# Altium PCB DS135-1.0-A浊度传感器.PcbDoc
Units mil, origin at the board's own origin, x right, y up, seen from the top; angles counter-clockwise.
Board outline 1653.54 x 3661.42 mil, 2 copper layers (Top Layer, Bottom Layer), stack 62.249 mil thick; 37 components, 42 nets, 166 pads, 54 vias.
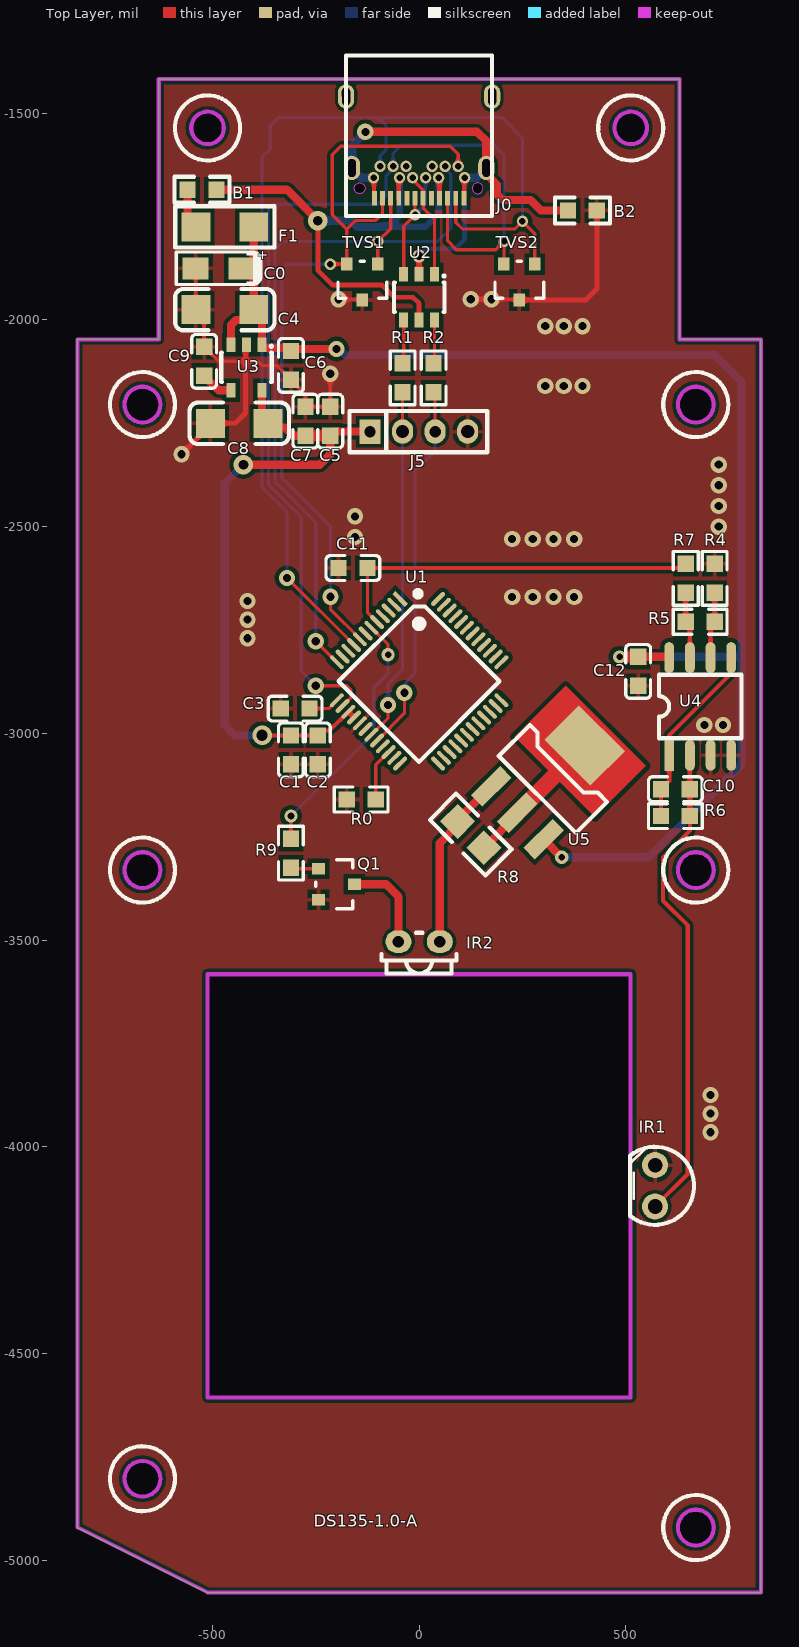
[diagram p0: Top Layer view]
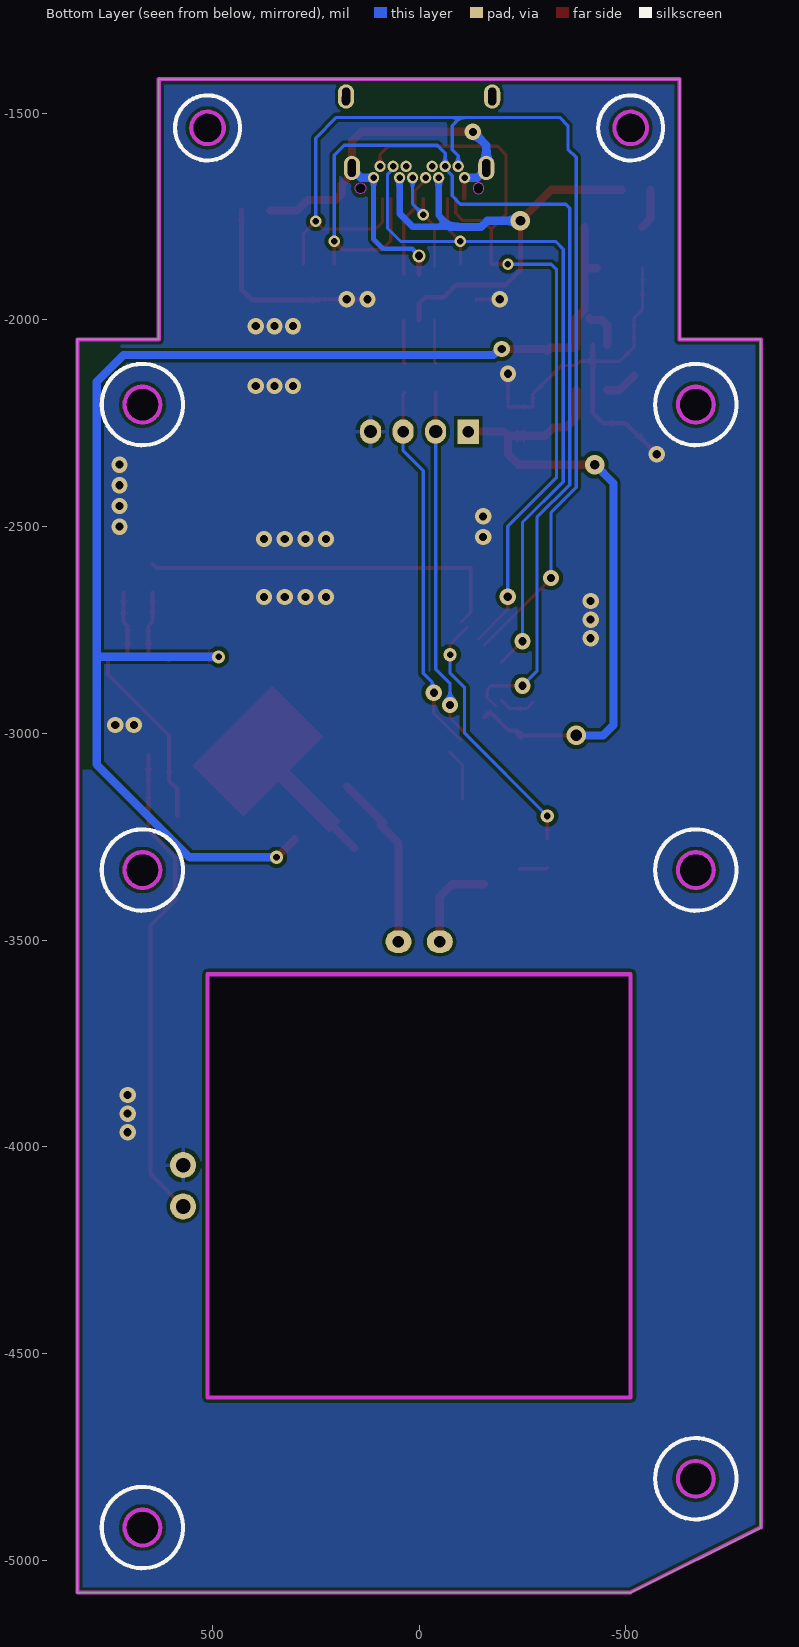
[diagram p1: Bottom Layer view, seen from below]
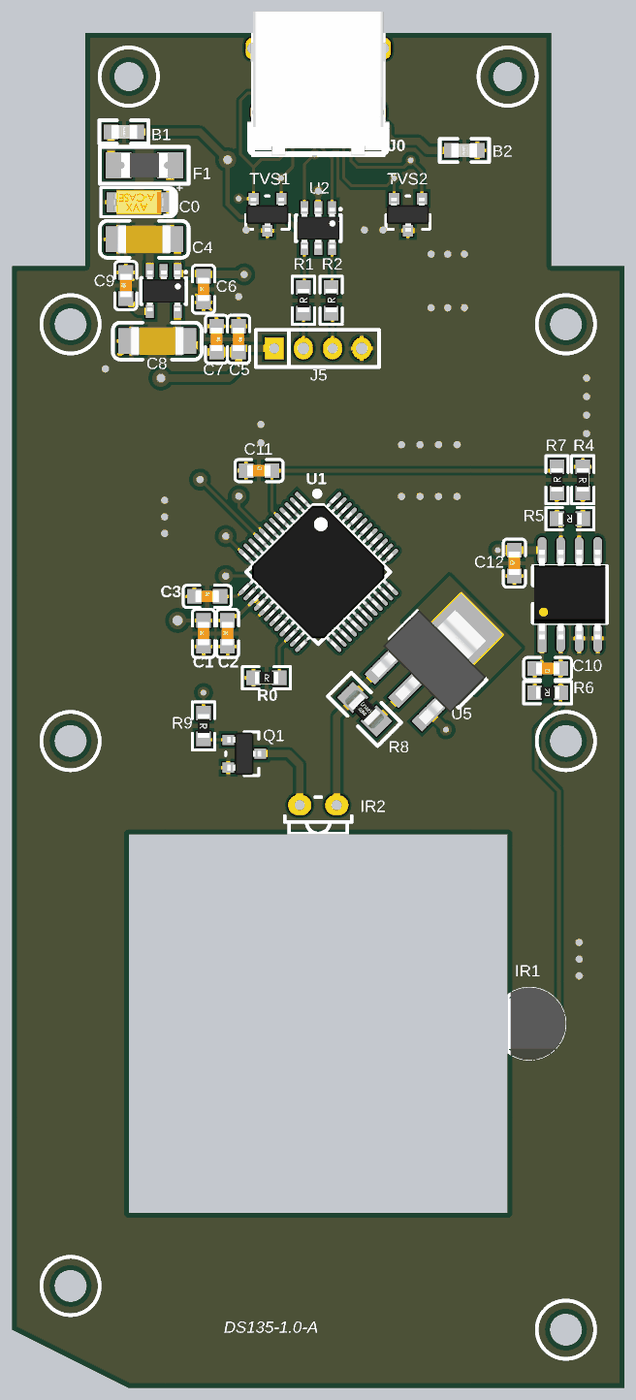
[diagram p2: 3D render of the assembled board from above, using the file's embedded part models]

## Layer stack, top to bottom
Top Solder: solder mask 0.4, Solder Resist, Dk 3.5
Top Layer: signal copper 1.4
Dielectric 1: dielectric 59.4488, FR-4, Dk 4.8
Bottom Layer: signal copper 1.4
Bottom Solder: solder mask 0.4, Solder Resist, Dk 3.5

## Board outline
-826.77,-4921.26 -511.81,-5078.74 826.77,-5078.74 826.77,-2047.24 629.92,-2047.24 629.92,-1417.32 -629.92,-1417.32 -629.92,-2047.24 -826.77,-2047.24
cut-out: 625.98,-3330.71 ccw(c669.29,-3330.71) 669.29,-3374.02 ccw(c669.29,-3330.71) 712.6,-3330.71 ccw(c669.29,-3330.71) 669.29,-3287.4 ccw(c669.29,-3330.71)
cut-out: 472.44,-1535.43 ccw(c511.81,-1535.43) 511.81,-1574.8 ccw(c511.81,-1535.43) 551.18,-1535.43 ccw(c511.81,-1535.43) 511.81,-1496.06 ccw(c511.81,-1535.43)
cut-out: -511.81,-1574.8 ccw(c-511.81,-1535.43) -472.44,-1535.43 ccw(c-511.81,-1535.43) -511.81,-1496.06 ccw(c-511.81,-1535.43) -551.18,-1535.43 ccw(c-511.81,-1535.43)
cut-out: -712.6,-4803.15 ccw(c-669.29,-4803.15) -669.29,-4846.46 ccw(c-669.29,-4803.15) -625.98,-4803.15 ccw(c-669.29,-4803.15) -669.29,-4759.84 ccw(c-669.29,-4803.15)
cut-out: 625.98,-4921.26 ccw(c669.29,-4921.26) 669.29,-4964.57 ccw(c669.29,-4921.26) 712.6,-4921.26 ccw(c669.29,-4921.26) 669.29,-4877.95 ccw(c669.29,-4921.26)
cut-out: -712.6,-3330.71 ccw(c-669.29,-3330.71) -669.29,-3374.02 ccw(c-669.29,-3330.71) -625.98,-3330.71 ccw(c-669.29,-3330.71) -669.29,-3287.4 ccw(c-669.29,-3330.71)
cut-out: 712.6,-2204.72 ccw(c669.29,-2204.72) 669.29,-2161.42 ccw(c669.29,-2204.72) 625.98,-2204.72 ccw(c669.29,-2204.72) 669.29,-2248.03 ccw(c669.29,-2204.72)
cut-out: -712.6,-2204.72 cw(c-669.29,-2204.72) -669.29,-2161.42 cw(c-669.29,-2204.72) -625.98,-2204.72 cw(c-669.29,-2204.72) -669.29,-2248.03 cw(c-669.29,-2204.72)
cut-out: -511.81,-4606.3 -511.81,-3582.68 511.81,-3582.68 511.81,-4606.3

## Design rules (kind name [scope] priority, off if disabled: settings)
Clearance [All] p1: gap=10 ignorepadtopadclearanceinfootprint=TRUE except(0: Arc-Hole Track-Hole SMDPad-Hole THPad-Hole Via-Hole Fill-Hole Poly-Hole Region-Hole Text-Hole; 4.72: THPad-THPad; 5.91: Arc-SMDPad Arc-THPad Track-SMDPad Track-THPad SMDPad-SMDPad; 7.87: Arc-Arc Arc-Track Arc-Via Arc-Fill Arc-Poly Arc-Region Arc-Text Track-Track Track-Via Track-Fill Track-Poly Track-Region Track-Text SMDPad-THPad SMDPad-Text THPad-Fill THPad-Poly THPad-Region)
MinimumSolderMaskSliver [All] p1: minsoldermaskwidth=7.87
PolygonConnect GND [All] p1: thpad.connectstyle=Relief thpad.reliefconductorwidth=10 thpad.reliefentries=4 thpad.polygonreliefangle="90 Angle" thpad.airgapwidth=10 smdpad.connectstyle=Relief smdpad.reliefconductorwidth=10 smdpad.reliefentries=4 smdpad.polygonreliefangle="90 Angle" smdpad.airgapwidth=10 via.connectstyle=Direct via.reliefconductorwidth=10 via.reliefentries=4 via.polygonreliefangle="90 Angle" via.airgapwidth=10
PolygonConnect VSS [InNet('VSS') vs InNet('VSS')] p2: thpad.connectstyle=Relief thpad.reliefconductorwidth=20 thpad.reliefentries=4 thpad.polygonreliefangle="90 Angle" thpad.airgapwidth=10 smdpad.connectstyle=Relief smdpad.reliefconductorwidth=20 smdpad.reliefentries=4 smdpad.polygonreliefangle="90 Angle" smdpad.airgapwidth=10 via.connectstyle=Direct via.reliefconductorwidth=20 via.reliefentries=4 via.polygonreliefangle="90 Angle" via.airgapwidth=10
RoutingVias [All] p1: holewidth=23.62 width=39.37 viastyle="Through Hole" minholewidth=15.75 minwidth=31.5 maxholewidth=39.37 maxwidth=78.74
SilkToSilkClearance [All] p1: silktosilkclearance=3.94
SilkToSolderMaskClearance [IsPad] p1: minsilkscreentomaskgap=1.97 clearancetoexposedcopper=TRUE
SolderMaskExpansion [All] p1: expansion=4 istentingtop=FALSE
Width [All] p1: maxlimit=39.37 minlimit=7.87 preferedwidth=7.87
27 further rules are at their usual default settings.

## Classes and differential pairs
net class C12_Nets: GND VCC_5V
net class U3_Nets: GND NetC9_1 VCC_3V3_MCU VCC_5V
net class C10_Nets: NetC10_1 NetC10_2
net class C0_Nets: GND VCC_5V
net class R8_Nets: NetIR2_1 NetR8_1
net class U1_Nets: ADC0 ADC1 DAC_OUT Dis1_red_EN Dis2_green_EN Dis3_blue_EN GND I2C1_SCL I2C1_SDA KEY_HOME NetU4_1 NetU4_2 NetU4_3 NetU4_4 NetU4_7 NetU4_11 NetU4_23 NetU4_24 NetU4_25 NetU4_26 NetU4_30 NetU4_32 NetU4_39 NetU4_40 NetU4_41 NetU4_42 NetU4_43 NetU4_44 NetU4_45 NetU4_46 NetU4_47 NetU4_48 P3.0/D-/RxD P3.1/D+/TxD P3.3 PWM SPI1/SPI2_CS SPI1_MISO SPI1_MOSI SPI1_SCK SPI2_MISO SPI2_MOSI SPI2_SCK UCAP USART2_RXD USART2_TXD VCC_3V3_MCU
net class U4_Nets: GND NetC10_1 NetC10_2 NetR4_2 NetR5_2 VCC_5V
net class J5_Nets: GND P3.0/D-/RxD P3.1/D+/TxD VCC_3V3_MCU
net class C8_Nets: GND VCC_3V3_MCU
net class C2_Nets: GND VCC_3V3_MCU
net class R9_Nets: ADC1 NetQ1_1
net class R7_Nets: ADC0 NetR5_2
net class IR2_Nets: NetIR2_1 NetIR2_2
net class IR1_Nets: GND NetC10_1
net class TVS2_Nets: GND SPI1/SPI2_CS SPI1_SCK
net class J0_Nets: D+_I/O1 D-_I/O2 NetJ0_A5 NetJ0_A8 NetJ0_B5 NetJ0_B8 SPI1/SPI2_CS SPI1_MISO SPI1_MOSI SPI1_SCK VBUS VSS
net class F1_Nets: NetB1_2 VCC_5V
net class C7_Nets: GND VCC_3V3_MCU
net class C4_Nets: GND VCC_5V
net class B2_Nets: GND VSS
net class B1_Nets: NetB1_2 VBUS
net class U5_Nets: NetIR2_1 NetR8_1 VCC_5V
net class R4_Nets: GND NetR4_2
net class R6_Nets: NetC10_1 NetC10_2
net class R2_Nets: P3.1/D+/TxD USB_D+
net class R1_Nets: P3.0/D-/RxD USB_D-
net class R5_Nets: NetR4_2 NetR5_2
net class R0_Nets: GND P3.3
net class Q1_Nets: GND NetIR2_2 NetQ1_1
net class U2_Nets: D+_I/O1 D-_I/O2 USB_D+ USB_D- VBUS VSS
net class TVS1_Nets: GND SPI1_MISO SPI1_MOSI
net class C9_Nets: GND NetC9_1
net class C3_Nets: GND UCAP
net class C1_Nets: GND VCC_3V3_MCU
net class C5_Nets: GND VCC_3V3_MCU
net class C11_Nets: ADC0 GND
net class C6_Nets: GND VCC_5V

## Components (designator, comment, footprint, x,y, rotation, side; value= is the part's Value field where it differs from the comment)
B1 "CBM160808U102" 0603Bead -525,-1685 r180 top
B2 "CBM160808U102" 0603Bead 395,-1735 r0 top
C0 "AVX_10uF/16V ±10％(C106)" AVX_3216-18(1206)_SMD -485,-1875 r180 top value=10uF
C1 "SMDCAP00013" 0603CAP -310,-3040.04 r90 top locked value=100nF
C2 "SMDCAP00012" 0603CAP -245,-3040.04 r90 top locked value=4.7uF
C3 "SMDCAP00015" 0603CAP -300,-2940 r0 top locked value=1uF
C4 "MLCC 10uF 50V ±20％ 1206" 1206CAP -470,-1975 r0 top value=10uF
C5 "SMDCAP00013" 0603CAP -215,-2244.96 r270 top value=100nF
C6 "SMDCAP00015" 0603CAP -310,-2109.96 r90 top value=1uF
C7 "SMDCAP00015" 0603CAP -275,-2244.96 r270 top value=1uF
C8 "MLCC 10uF 50V ±20％ 1206" 1206CAP -435,-2249.96 r0 top value=10uF
C9 "SMDCAP00010" 0603CAP -520,-2100 r90 top value=10nF
C10 "SMDCAP00008" 0603CAP 620,-3135 r180 top value=1nF
C11 "SMDCAP00013" 0603CAP -160,-2600 r0 top value=100nF
C12 "SMDCAP00013" 0603CAP 530,-2850.04 r90 top value=100nF
F1 "SMD1206-050C-16V" 1206FUSE -470,-1775 r0 top value="16V /0.5A"
IR1 "PD438C/S46" PD438C/S46 570.87,-4094.49 r270 top locked
IR2 "IR928-6C-F" IR928-6C-F 0,-3503.94 r0 top locked
J0 "USB_Type_C_24P" USB_TYPE_C_24P_Receptacle 0,-1582.68 r180 top locked
J5 "DIP4单排直针  间距2mm 针长11mm 铜" H4 -118.74,-2270 r0 top value=4P
Q1 "SMDNPN00001" SOT23 -200,-3365 r270 top value=SS8050
R0 "Chip 0R 1/16W ±1％ 0603" 0603RES -140,-3160 r0 top locked value=0R
R1 "Chip 22R 1/16W ±1％ 0603" 0603RES -40,-2140 r90 top value=22R
R2 "Chip 22R 1/16W ±1％ 0603" 0603RES 35,-2140 r90 top value=22R
R4 "SMDRES00034" 0603RES 715,-2625 r270 top value=1K
R5 "SMDRES00034" 0603RES 680,-2730 r180 top value=33K
R6 "Chip 120K 1/16W ±1％ 0603" 0603RES 620,-3200 r180 top value=120K
R7 "SMDRES00034" 0603RES 645,-2625 r90 top value=1K
R8 "SMDRES00011" 0805RES 125,-3245 r135 top value=51R
R9 "SMDRES00056" 0603RES -310,-3290 r270 top value=10K
TVS1 "MMBZ9V1A" SOT23 -137.4,-1908.31 r180 top
TVS2 "MMBZ9V1A" SOT23 242.4,-1908.31 r180 top
U1 "STC32G12K128_35I LQFP48" LQFP-48 0,-2874.02 r315 top locked value=STC32G12K128
U2 "82400102" SOT23-6 0,-1944.88 r180 top
U3 "ME6211C33M5G-N" SOT23-5 -417.6,-2114.84 r180 top
U4 "TL062C" SO-8 680,-2935 r90 top
U5 "AMS1117-ADJ" SOT223 400.61,-3029.39 r225 top

## Footprints (in the part's own frame and the unit in brackets; to place one, negate y for a bottom-side part, rotate by r counter-clockwise, add the part's x,y. Pads: shape width x height; smd on the part's side, far side on the other; paste and mask are expansions set on the pad)
0603Bead [mm]
  rect 1x1 smd: 1(-0.889,0) 2(0.889,0)
  silkscreen extent -1.69,-0.8 1.69,0.8, body extent -0.9,-0.48 0.85,0.48, height 0.95
0603CAP [mm]
  rect 1x1 smd: 1(-0.889,0) 2(0.89,0)
  silkscreen extent -1.65,-0.76 1.65,0.76, body extent -0.8,-0.4 0.8,0.4, height 0.3
0603RES [mm]
  rect 1x1 smd: 1(-0.889,0) 2(0.889,0)
  silkscreen extent -1.65,-0.76 1.65,0.76, body extent -0.8,-0.41 0.8,0.41, height 0.51
0805RES [mil]
  rect 60x60 smd: 1(-45,0) 2(45,0)
  silkscreen extent -95,-45 95,45, body extent -55,-25 55,25, height 32
1206CAP [mil]
  rect 70x70 smd: 1(-70,0) 2(70,0)
  silkscreen extent -120,-50 120,50, body extent -73,-38 73,38, height 47
1206FUSE [mil]
  rect 70x70 smd: 1(-70,0) 2(70,0)
  silkscreen extent -120,-50 120,50, body extent -63,-33 63,33, height 57
AVX_3216-18(1206)_SMD [mm]
  rect 1.6x1.35 smd: 1(-1.41,0) 2(1.41,0)
  silkscreen extent -2.6,-1 2.6,1, body extent -1.7,-0.84 1.7,0.84, height 1.71
H4 [mm]
  rect 1.3x1.5 hole 0.7: 1(0,0)
  oval 1.3x1.5 hole 0.813: 2(2,0) 4(6,0)
  oval 1.3x1.5 hole 0.7: 3(4,0)
  silkscreen extent -1.27,-1.27 7.2,1.27
IR928-6C-F [mm]
  oval 1.6x1.4 hole 0.7: 1(1.27,0) 2(-1.27,0)
  silkscreen extent -2.3,-1.95 2.3,0.55, body extent -2.3,-1.69 2.3,0.81, height 8.54
LQFP-48 [mm]
  rect 1.1x0.27 smd mask+0.08: 1(-4.4,2.75)
  oval 1.1x0.27 smd mask+0.08: 2(-4.4,2.25) 3(-4.4,1.75) 4(-4.4,1.25) 5(-4.4,0.75) 6(-4.4,0.25) 7(-4.4,-0.25) 8(-4.4,-0.75) 9(-4.4,-1.25) 10(-4.4,-1.75) 11(-4.4,-2.25) 12(-4.4,-2.75) 25(4.4,-2.75) 26(4.4,-2.25) 27(4.4,-1.75) 28(4.4,-1.25) 29(4.4,-0.75) 30(4.4,-0.25) 31(4.4,0.25) 32(4.4,0.75) 33(4.4,1.25) 34(4.4,1.75) 35(4.4,2.25) 36(4.4,2.75)
  oval 0.27x1.1 smd mask+0.08: 13(-2.75,-4.4) 14(-2.25,-4.4) 15(-1.75,-4.4) 16(-1.25,-4.4) 17(-0.75,-4.4) 18(-0.25,-4.4) 19(0.25,-4.4) 20(0.75,-4.4) 21(1.25,-4.4) 22(1.75,-4.4) 23(2.25,-4.4) 24(2.75,-4.4) 37(2.75,4.4) 38(2.25,4.4) 39(1.75,4.4) 40(1.25,4.4) 41(0.75,4.4) 42(0.25,4.4) 43(-0.25,4.4) 44(-0.75,4.4) 45(-1.25,4.4) 46(-1.75,4.4) 47(-2.25,4.4) 48(-2.75,4.4)
  silkscreen extent -3.95,-3.5 3.5,3.85, body extent -4.51,-4.5 4.5,4.5, height 1.54
PD438C/S46 [mm]
  round 1.6 hole 0.9: 1(-1.27,0) 2(1.27,0)
  silkscreen extent -2.4,-1.54 2.4,2.4, body extent -2.5,-1.4 2.5,2.5, height 9.6
SO-8 [mm]
  rect 1.9x0.6 smd: 1(-3,1.905)
  oval 1.9x0.6 smd: 2(-3,0.635) 3(-3,-0.635) 4(-3,-1.905) 5(3,-1.905) 6(3,-0.635) 7(3,0.635) 8(3,1.905)
  silkscreen extent -1.95,-2.54 1.95,2.54, body extent -3.07,-2.44 3.07,2.44, height 1.77
SOT23 [mm]
  rect 0.7x0.8 smd: 1(-0.95,-1.1) 2(0.95,-1.1) 3(0,1.1)
  silkscreen extent -1.5,-1.27 1.5,1, body extent -1.46,-1.17 1.46,1.17, height 1
SOT23-5 [mm] "SOT-23/SC-74A; 5 Leads; Body 3.1 x 3 mm, inc. leads (LxW max)"
  rect 0.55x0.9 smd: 1(-0.95,-1.4) 2(0,-1.4) 3(0.95,-1.4) 4(0.95,1.4) 5(-0.95,1.4)
  silkscreen extent -1.59,-1.36 1.55,0.9, body extent -1.45,-1.4 1.45,1.4, height 1.45
SOT23-6 [mm] "SOT-23/SC-74A; 5 Leads; Body 3.1 x 3 mm, inc. leads (LxW max)"
  rect 0.55x0.9 smd: 1(-0.95,-1.4) 2(0,-1.4) 3(0.95,-1.4) 4(0.95,1.4) 5(0,1.4) 6(-0.95,1.4)
  silkscreen extent -1.59,-1.36 1.55,0.9, body extent -1.45,-1.4 1.45,1.4, height 1.45
SOT223 [mil]
  rect 100x39.37 smd: 1(230,-90) 2(230,0) 3(230,90)
  rect 118.11x157.48 smd: 2(0,0)
  silkscreen extent 58,-129 165,135, body extent -16,-128 260,128, height 65
USB_TYPE_C_24P_Receptacle [mm]
  oval 1x1.5 hole 0.5 slot 1.1 at 90.5 deg: 0(-4.49,-3.13) 0(-4.13,1.26) 0(4.13,1.26) 0(4.49,-3.13)
  rect 0.3x0.9 smd mask+0.1: A1(-2.75,3.13) A2(-2.25,3.13) A3(-1.75,3.13) A4(-1.25,3.13) A5(-0.75,3.13) A6(-0.25,3.13) A7(0.25,3.13) A8(0.75,3.13) A9(1.25,3.13) A10(1.75,3.13) A11(2.25,3.13) A12(2.75,3.13)
  round 0.7 hole 0.4: B1(2.8,1.86) B2(2.4,1.16) B3(1.6,1.16) B4(1.2,1.86) B5(0.8,1.16) B6(0.4,1.86) B7(-0.4,1.86) B8(-0.8,1.16) B9(-1.2,1.86) B10(-1.6,1.16) B11(-2.4,1.16) B12(-2.8,1.86)
  Keep-Out Layer board cut-out: 3.98,2.51 3.955,2.384 3.883,2.277 3.776,2.205 3.65,2.18 3.65,2.18 3.524,2.205 3.417,2.277 3.345,2.384 3.32,2.51 3.32,2.51 3.345,2.636 3.417,2.743 3.524,2.815 3.65,2.84 3.65,2.84 3.776,2.815 3.883,2.743 3.955,2.636 3.98,2.51
  Keep-Out Layer board cut-out: -3.93,2.51 -3.905,2.384 -3.833,2.277 -3.726,2.205 -3.6,2.18 -3.6,2.18 -3.474,2.205 -3.367,2.277 -3.295,2.384 -3.27,2.51 -3.27,2.51 -3.295,2.636 -3.367,2.743 -3.474,2.815 -3.6,2.84 -3.6,2.84 -3.726,2.815 -3.833,2.743 -3.905,2.636 -3.93,2.51
  silkscreen extent -4.48,-5.66 4.48,4.21, body extent -4.87,-5.66 4.88,4.21, height 3.36

## Part data
B1 B2: library part "Chip Ferrite Bead 0606", "贴片磁珠"
C0: "钽电容"
C1 C5 C11 C12: library part "MLCC 100nF 50V ±10％ 0603", "贴片电容"
C2: library part "MLCC 4.7uF 50V ±10％ 0603", "贴片电容"
C3 C6 C7: library part "MLCC 1uF 50V ±10％ 0603", "贴片电容"
C4 C8: "贴片电容"
C9: library part "MLCC 10nF 50V ±10％ 0603", "贴片电容"
C10: library part "MLCC 1nF 50V ±10％ 0603", "贴片电容"
F1: "贴片自恢复保险丝 16V /0.5A"
J5: "单排直针"
Q1: library part "SS8050 Y1 SOT-23", "贴片三极管"
R0 R1 R2 R6: "贴片电阻"
R4 R5 R7: library part "Chip 1K 1/16W ±1％ 0603", "贴片电阻"
R8: library part "Chip 51R 1/10W ±1％ 0805", "贴片电阻"
R9: library part "Chip 10K 1/16W ±1％ 0603", "贴片电阻"
TVS1 TVS2: library part TVS, "瞬态抑制二极管"
U1: "单片机芯片"
U2: "瞬态抑制二极管(TVS)"
U3 U5: "稳压芯片"

## Via types
v1: diameter 39.37, hole 19.68, Top Layer to Bottom Layer, tented both sides, 41 vias
v2: diameter 27.56, hole 15.75, Top Layer to Bottom Layer, tented both sides, 5 vias
v3: diameter 32, hole 16, Top Layer to Bottom Layer, tented both sides, 4 vias
v4: diameter 47.24, hole 23.62, Top Layer to Bottom Layer, tented both sides, 2 vias
v5: diameter 47.24, hole 27.56, Top Layer to Bottom Layer, tented both sides, 1 vias
v6: diameter 31.5, hole 19.68, Top Layer to Bottom Layer, tented both sides, 1 vias

## Nets (pads, with @x,y where several pads share a name; then routed paths per layer and width w, separated by ;. In a path a pad name is that pad's centre, name@x,y a point inside that pad or via, vN(x,y) a via of type N, cw(c..) or ccw(c..) an arc to the next point about the centre after c; other vN are vias at no path point)
ADC0: C11.2 R7.2 U1.5 | length 914.4
  Top Layer w7.87: C11.2 -124.96,-2707.3 U1.5
  Top Layer w10: C11.2 635,-2600 R7.2
ADC1: R9.1 U1.6 | length 624.6
  Top Layer w7.87: R9.1 v3(-310,-3200) ; U1.6 -75,-2785.1 v3(-75,-2810)
  Bottom Layer w7.87: v3(-310,-3200) -110,-3000 -110,-2890 -75,-2855 v3(-75,-2810)
D+_I/O1: J0.A6 J0.B6 U2.1 | length 255.9
  Top Layer w7.87: J0.B6 -15.75,-1660.6 9.84,-1686.19 J0.A6 10.49,-1706.55 10.49,-1729.51 37.4,-1756.43 U2.1
D-_I/O2: J0.A7 J0.B7 U2.3 | length 275.6
  Top Layer w7.87: -37.4,-1870 -37.4,-1772.93 v2(-9.84,-1745.37) J0.A7
  Bottom Layer w7.87: v2(-9.84,-1745.37) 15.75,-1719.78 J0.B7
DAC_OUT: U1.10
Dis1_red_EN: U1.35
Dis2_green_EN: U1.34
Dis3_blue_EN: U1.36
GND: B2.2 C0.2 C1.1 C2.1 C3.1 C4.1 C5.1 C6.1 C7.1 C8.1 C9.2 C11.1 C12.1 IR1.1 J5.4 Q1.2 R0.1 R4.1 TVS1.3 TVS2.3 U1.17 U3.2 U4.3 U4.4 | length 1590.6
  Top Layer w7.87: C0.2 -540.51,-1974.49 C4.1 -520,-1995 C9.2 -484.96,-2100 -420,-2100 -390,-2100 -380,-2110 -344.96,-2110 C6.1 -275,-2179.96 C7.1 C5.1 v1(-215,-2130) ; v1(-195,-1950) -139.02,-1950 TVS1.3 TVS1.3@-137.4,-1953.58 ; v1(125,-1950) v1(175,-1950) 240.79,-1950 TVS2.3
  Top Layer w11.81: v1(-575,-2325) -500,-2250 -445,-2250 -420,-2225 -420,-2100 U3.2@-420,-2059.72 ; TVS2.3 403.39,-1951.61 430,-1925 B2.2 B2.2@429.33,-1734.33
  other v1: 705,-3965 705,-3920 705,-3875 690,-2980 735,-2980 -415,-2770 -415,-2725 -415,-2680 225,-2670 275,-2670 325,-2670 375,-2670 225,-2530 275,-2530 325,-2530 375,-2530 -155,-2525 725,-2500 -155,-2475 725,-2450 725,-2400 725,-2350 305,-2160 350,-2160 395,-2160 305,-2015 350,-2015 395,-2015
I2C1_SCL: U1.38
I2C1_SDA: U1.37
KEY_HOME: U1.21
NetB1_2: B1.2 F1.1 | length 98.3
  Top Layer w20: B1.2 -560,-1755 F1.1
NetC9_1: C9.1 U3.4 | length 79.5
  Top Layer w20: C9.1 -485.04,-2169.96 U3.4
NetC10_1: C10.1 IR1.2 R6.1 U4.2 | length 1175.9
  Top Layer w10: IR1.2 650,-4065.35 650,-3465 590,-3405 590,-3300 655,-3235 R6.1 C10.1 U4.2
NetC10_2: C10.2 R6.2 U4.1 U4.5 | length 453.6
  Top Layer w10: R6.2 585,-3135.04 C10.2 605,-3114.96 U4.1 605,-3005 752.34,-2857.66 752.34,-2819.55 U4.5
NetIR2_1: IR2.1 R8.2 U5.1 | length 432.1
  Top Layer w20: IR2.1 50,-3265 93.18,-3221.82 R8.2 ; R8.2@87.04,-3215.68 U5.1
NetIR2_2: IR2.2 Q1.3 | length 228.1
  Top Layer w20: Q1.3 -80,-3365 -50,-3395 IR2.2
NetQ1_1: Q1.1 R9.2 | length 67.8
  Top Layer w7.87: R9.2 -307.4,-3327.6 Q1.1
NetR4_2: R4.2 R5.1 U4.6 | length 161
  Top Layer w10: U4.6 705,-2740 R5.1 R4.2
NetR5_2: R5.2 R7.1 U4.7 | length 161
  Top Layer w10: R7.1 R5.2 655,-2740 U4.7
NetR8_1: R8.1 U5.2 | length 118.4
  Top Layer w20: R8.1 237.97,-3195.67 U5.2@237.97,-3192.03
P3.0/D-/RxD: J5.2 R1.1 U1.19 | length 859.8
  Top Layer w7.87: U1.19 -75,-2962.94 v1(-75,-2931.47) ; J5.2 R1.1
  Bottom Layer w7.87: v1(-75,-2931.47) -75,-2880 -40,-2845 J5.2
P3.1/D+/TxD: J5.3 R2.1 U1.20 | length 902.1
  Top Layer w7.87: U1.20 -35.62,-2951.4 v1(-35.62,-2901.69) ; R2.1 38.74,-2178.74 J5.3
  Bottom Layer w7.87: v1(-35.62,-2901.69) -31.76,-2897.83 -31.76,-2876.76 -10,-2855 -10,-2365 38.74,-2316.26 J5.3
P3.3: R0.2 U1.22 | length 127.7
  Top Layer w7.87: R0.2 -105,-3076.45 U1.22
PWM: U1.33
SPI1/SPI2_CS: J0.A3 J0.B3 TVS2.2 U1.14 | length 2548
  Top Layer w7.87: v1(-250,-2885) -175,-2885 -165,-2895 -165,-2913.74 U1.14 ; J0.A3 68.9,-1808.9 90,-1830 185.55,-1830 v2(205.55,-1810) 205.55,-1864.45 TVS2.2
  Bottom Layer w7.87: v1(-250,-2885) -285,-2850 -285,-2477.73 -364.25,-2398.48 -364.25,-1729.25 -355,-1720 -100,-1720 -80,-1700 -80,-1650.68 J0.B3@-62.99,-1633.67 ; J0.B3 -62.99,-1596.5 -43.7,-1577.2 181.3,-1577.2 205.55,-1601.46 v2(205.55,-1810)
SPI1_MISO: J0.A11 J0.B11 TVS1.2 U1.8 | length 1903
  Top Layer w7.87: v2(-215,-1865) TVS1.2 -174.8,-1780.2 ; v1(-214.41,-2669.41) -214.41,-2700.18 U1.8@-142.78,-2771.81 ; J0.A11 -88.58,-1742.09 -106.05,-1759.56 -154.16,-1759.56 -174.8,-1780.2 ; J0.B11 94.49,-1599.49 75,-1580 -190,-1580 -210,-1600 -210,-1745 -174.8,-1780.2
  Bottom Layer w7.87: v2(-215,-1865) -320,-1865 -332.17,-1877.17 -332.17,-2381.65 -214.41,-2499.41 v1(-214.41,-2669.41)
SPI1_MOSI: J0.A10 J0.B10 TVS1.1 U1.12 | length 1834.8
  Top Layer w7.87: v1(-250,-2777.13) U1.12 ; TVS1.1 v2(-100,-1810) -68.9,-1778.9 J0.A10
  Bottom Layer w7.87: v1(-250,-2777.13) -250,-2490 -348.5,-2391.5 -348.5,-1828.5 -330,-1810 v2(-100,-1810) 45,-1810 76.3,-1778.7 76.3,-1646.98 62.99,-1633.67 J0.B10
SPI1_SCK: J0.A2 J0.B2 TVS2.1 U1.9 | length 2679.3
  Top Layer w7.87: v1(-319.31,-2624.31) U1.9 ; J0.A2 88.58,-1763.58 105,-1780 231.66,-1780 v2(250,-1761.66) 279.8,-1791.46 TVS2.1
  Bottom Layer w7.87: v1(-319.31,-2624.31) -319.31,-2465.69 -380,-2405 -380,-1606.54 -360,-1586.54 -360,-1530 -340,-1510 -100,-1510 ; J0.B2 -94.49,-1602.64 -80,-1588.15 -80,-1530 -100,-1510 ; v2(250,-1761.66) 250,-1560 200,-1510 -100,-1510
SPI2_MISO: U1.29
SPI2_MOSI: U1.18
SPI2_SCK: U1.31
UCAP: C3.2 U1.13 | length 90.5
  Top Layer w7.87: C3.2@-275,-2925 -260,-2940 -219.1,-2940 U1.13
USART2_RXD: U1.27
USART2_TXD: U1.28
USB_D+: R2.2 U2.6 | length 106
  Top Layer w7.87: R2.2 37.4,-2102.6 U2.6
USB_D-: R1.2 U2.4 | length 106.1
  Top Layer w7.87: R1.2 -37.4,-2102.4 U2.4
VBUS: B1.1 J0.A4 J0.A9 J0.B4 J0.B9 U2.5 | length 1343.8
  Top Layer w10: J0.A9 J0.A9@-48.31,-1705 ; J0.B4@-48.31,-1656.97 J0.B4 ; J0.B9 J0.B9@48.31,-1656.97
  Top Layer w11.81: v4(-245,-1760) -245,-1880 -210,-1915 -90,-1915 -60,-1945 -15,-1945 0,-1960 U2.5 ; J0.A9 J0.B4@-49.21,-1657.87 ; J0.A4 J0.B9@49.21,-1657.87
  Top Layer w20: B1.1 -320,-1685 v4(-245,-1760)
  Bottom Layer w15.75: J0.B4 -47.24,-1747.24 -75,-1775 15,-1775 47.24,-1742.76 J0.B9
  Bottom Layer w20: v4(-245,-1760) -165,-1760 -150,-1775 -75,-1775
VCC_3V3_MCU: C1.2 C2.2 C5.2 C7.2 C8.2 J5.1 U1.15 U1.16 U3.5 | length 1615.7
  Top Layer w9.45: v5(-380,-3005) C1.2 C2.2
  Top Layer w10: C2.2 -233,-2993 -216.42,-2993 U1.15 U1.16
  Top Layer w11.81: C5.2 C5.2@-205,-2270
  Top Layer w20: v4(-425,-2350) -240,-2350 -215,-2325 C5.2 C7.2 -305,-2280 -325,-2260 -354.96,-2260 C8.2 -380.2,-2234.76 U3.5 ; C5.2@-205,-2270 J5.1
  Bottom Layer w20: v4(-425,-2350) -470,-2395 -470,-2980 -445,-3005 v5(-380,-3005)
VCC_5V: C0.1 C4.2 C6.2 C12.2 F1.2 U3.1 U3.3 U4.8 U5.3 | length 3550.2
  Top Layer w20: U3.3 -455,-2011.72 -443.28,-2000 -416.16,-2000 C4.2@-411.16,-1995 ; C0.1 C0.1@-400,-1875 ; F1.2 C0.1@-400,-1875 ; U3.1 -380.2,-1994.8 C4.2 C0.1@-400,-1875 ; U3.1@-379.37,-2067.44 -317.48,-2067.44 C6.2 -305.08,-2070 v1(-200,-2070) ; U5.3 301.61,-3256.61 v3(345,-3300) ; v3(485,-2815) 603.33,-2815 605,-2816.67 U4.8
  Bottom Layer w20: v1(-200,-2070) -194.76,-2070 -179.76,-2085 715,-2085 780,-2150 780,-2815 ; v3(345,-3300) 555,-3300 780,-3075 780,-2815 ; v3(485,-2815) 780,-2815
VSS: B2.1 J0.0@162.6,-1632.28 J0.0@-162.6,-1632.28 J0.A1 J0.A12 J0.B1 J0.B12 U2.2 | length 1279.4
  Top Layer w10: J0.B1 -109.17,-1656.97 -109.17,-1705 J0.A12 ; J0.A1 109.17,-1705 109.17,-1656.97 J0.B12
  Top Layer w11.81: U2.2 v6(0,-1844.76)
  Top Layer w20: v1@-135.22,-1545 140,-1545 162.6,-1567.6 162.6,-1632.28 162.6,-1647.37 187.57,-1672.34 187.57,-1695.86 201.72,-1710 270,-1710 295,-1735 B2.1
  Bottom Layer w11.81: v6(0,-1844.76) 17.05,-1827.72 87.28,-1827.72 110.24,-1804.76 J0.B12
  Bottom Layer w20: J0.0@-162.6,-1632.28 -162.6,-1577.6 v1(-130,-1545) ; J0.0@-162.32,-1634.45 -140.87,-1655.91 J0.B1 ; J0.B12 140.87,-1655.91 J0.0@162.32,-1634.45
pads on no net: J0.0@176.77,-1459.45 J0.0@-176.77,-1459.45 J0.A5 J0.A8 J0.B5 J0.B8 U1.1 U1.2 U1.3 U1.4 U1.7 U1.11 U1.23 U1.24 U1.25 U1.26 U1.30 U1.32 U1.39 U1.40 U1.41 U1.42 U1.43 U1.44 U1.45 U1.46 U1.47 U1.48

## Polygon pours and split planes (outlines as drawn)
GND on Bottom Layer "GND_L02_P002" (solid, remove dead copper, pour order 2): -826.77,-4921.26 -826.77,-2047.24 -629.92,-2047.24 -629.92,-1417.32 629.92,-1417.32 629.92,-2047.24 826.77,-2047.24 826.77,-5078.74 -511.81,-5078.74
GND on Top Layer "GND_L01_P003" (solid, remove dead copper, pour order 3): -826.77,-4921.26 -826.77,-2047.24 -629.92,-2047.24 -629.92,-1417.32 629.92,-1417.32 629.92,-2047.24 826.77,-2047.24 826.77,-5078.74 -511.81,-5078.74

## Keep-outs
Keep-Out Layer:
  circle w10: c-669.29,-2204.72 r43.31
  circle w10: c669.29,-2204.72 r43.31
  circle w10: c-669.29,-3330.71 r43.31
  circle w10: c669.29,-3330.71 r43.31
  circle w10: c-669.29,-4803.15 r43.31
  circle w10: c669.29,-4921.26 r43.31
  circle w10: c-511.81,-1535.43 r39.37
  circle w10: c511.81,-1535.43 r39.37
  lines w10: -826.77,-4921.26 -826.77,-2047.24 -629.92,-2047.24 -629.92,-1417.32 629.92,-1417.32 629.92,-2047.24 826.77,-2047.24 826.77,-5078.74 -511.81,-5078.74 ; -826.54,-4920.52 -511.58,-5078 ; -511.81,-4606.3 -511.81,-3582.68 511.81,-3582.68 511.81,-4606.3 -511.81,-4606.3

## Other copper
Top Layer:
  region net NetR8_1: 230.9,-3008.18 425.36,-3202.63 549.1,-3078.89 354.64,-2884.44
  region net NetR8_1: 188.47,-3213.24 216.76,-3241.53 351.11,-3107.18 322.82,-3078.89
  pour cut-out: -32.44,-1737.78 -32.44,-1891.69 -58.23,-1917.48 -74.76,-1900.95 -204.18,-1900.95 -211.73,-1893.4 -193.33,-1875 -155,-1875 -155,-1777.42 -111.2,-1733.62 -35.21,-1733.62
  pour cut-out: 670.72,-3011.79 623.21,-3011.79 590,-3045 590,-3205 614.69,-3229.68 665,-3229.68 665,-3185 660,-3180 670.72,-3169.28
  pour cut-out: 744.69,-2630.31 744.69,-2846.75 733.23,-2858.21 620.72,-2858.21 615.31,-2759.68 615.31,-2630.31
  pour cut-out: -235.28,-2952.04 -211.75,-2952.04 -211.11,-2951.4 -205.77,-2956.74 -205.77,-2963.78 -234.14,-2992.15 -348.54,-2992.15 -367.44,-2973.25 -353.25,-2973.25 -349.68,-2969.68 -285.31,-2969.68 -285,-2970 -285,-2960
Bottom Layer:
  pour cut-out: 725,-2060 725.37,-2060.37 813.65,-2060.37 813.65,-3083.65 815,-3085 812.11,-3087.89 792.89,-3087.89 792.89,-2137.89 725,-2070

## Silkscreen, mask and mechanical layers (free items; w line width, h text height)
Top Overlay:
  circle w10: c511.81,-1535.43 r78.74
  circle w10: c-511.81,-1535.43 r78.74
  circle w10: c669.29,-4921.26 r78.74
  circle w10: c-669.29,-4803.15 r78.74
  circle w10: c669.29,-3330.71 r78.74
  circle w10: c-669.29,-3330.71 r78.74
  circle w10: c669.29,-2204.72 r78.74
  circle w10: c-669.29,-2204.72 r78.74
  text "DS135-1.0-A" at -255,-4929.45 h50
Bottom Overlay:
  circle w10: c511.81,-1535.43 r78.74
  circle w10: c-511.81,-1535.43 r78.74
  circle w10: c669.29,-4921.26 r98.43
  circle w10: c-669.29,-4803.15 r98.43
  circle w10: c669.29,-3330.71 r98.43
  circle w10: c-669.29,-3330.71 r98.43
  circle w10: c669.29,-2204.72 r98.43
  circle w10: c-669.29,-2204.72 r98.43
Mechanical 1:
  circle w10: c511.81,-1535.43 r39.37
  circle w10: c-511.81,-1535.43 r39.37
  circle w10: c669.29,-4921.26 r43.31
  circle w10: c-669.29,-4803.15 r43.31
  circle w10: c669.29,-3330.71 r43.31
  circle w10: c-669.29,-3330.71 r43.31
  circle w10: c669.29,-2204.72 r43.31
  circle w10: c-669.29,-2204.72 r43.31
  lines w10: -827,-4921 -827,-2047 ; -827,-4921 -511.28,-5079 827,-5079 827,-2047 630,-2047 630,-1417 -630,-1417 -630,-2047 -827,-2047 ; -827,-4921 -827,-2047 ; -511.81,-4606.3 511.81,-4606.3 511.81,-3582.68 -511.81,-3582.68 -511.81,-4606.3

## Text inside footprints (layer, text, board x,y; h text height)
C0: Top Overlay "+" at -365,-1825 h39.37 r180